# Altium PCB uAMDC.PcbDoc (part 2 of 6) (continued)
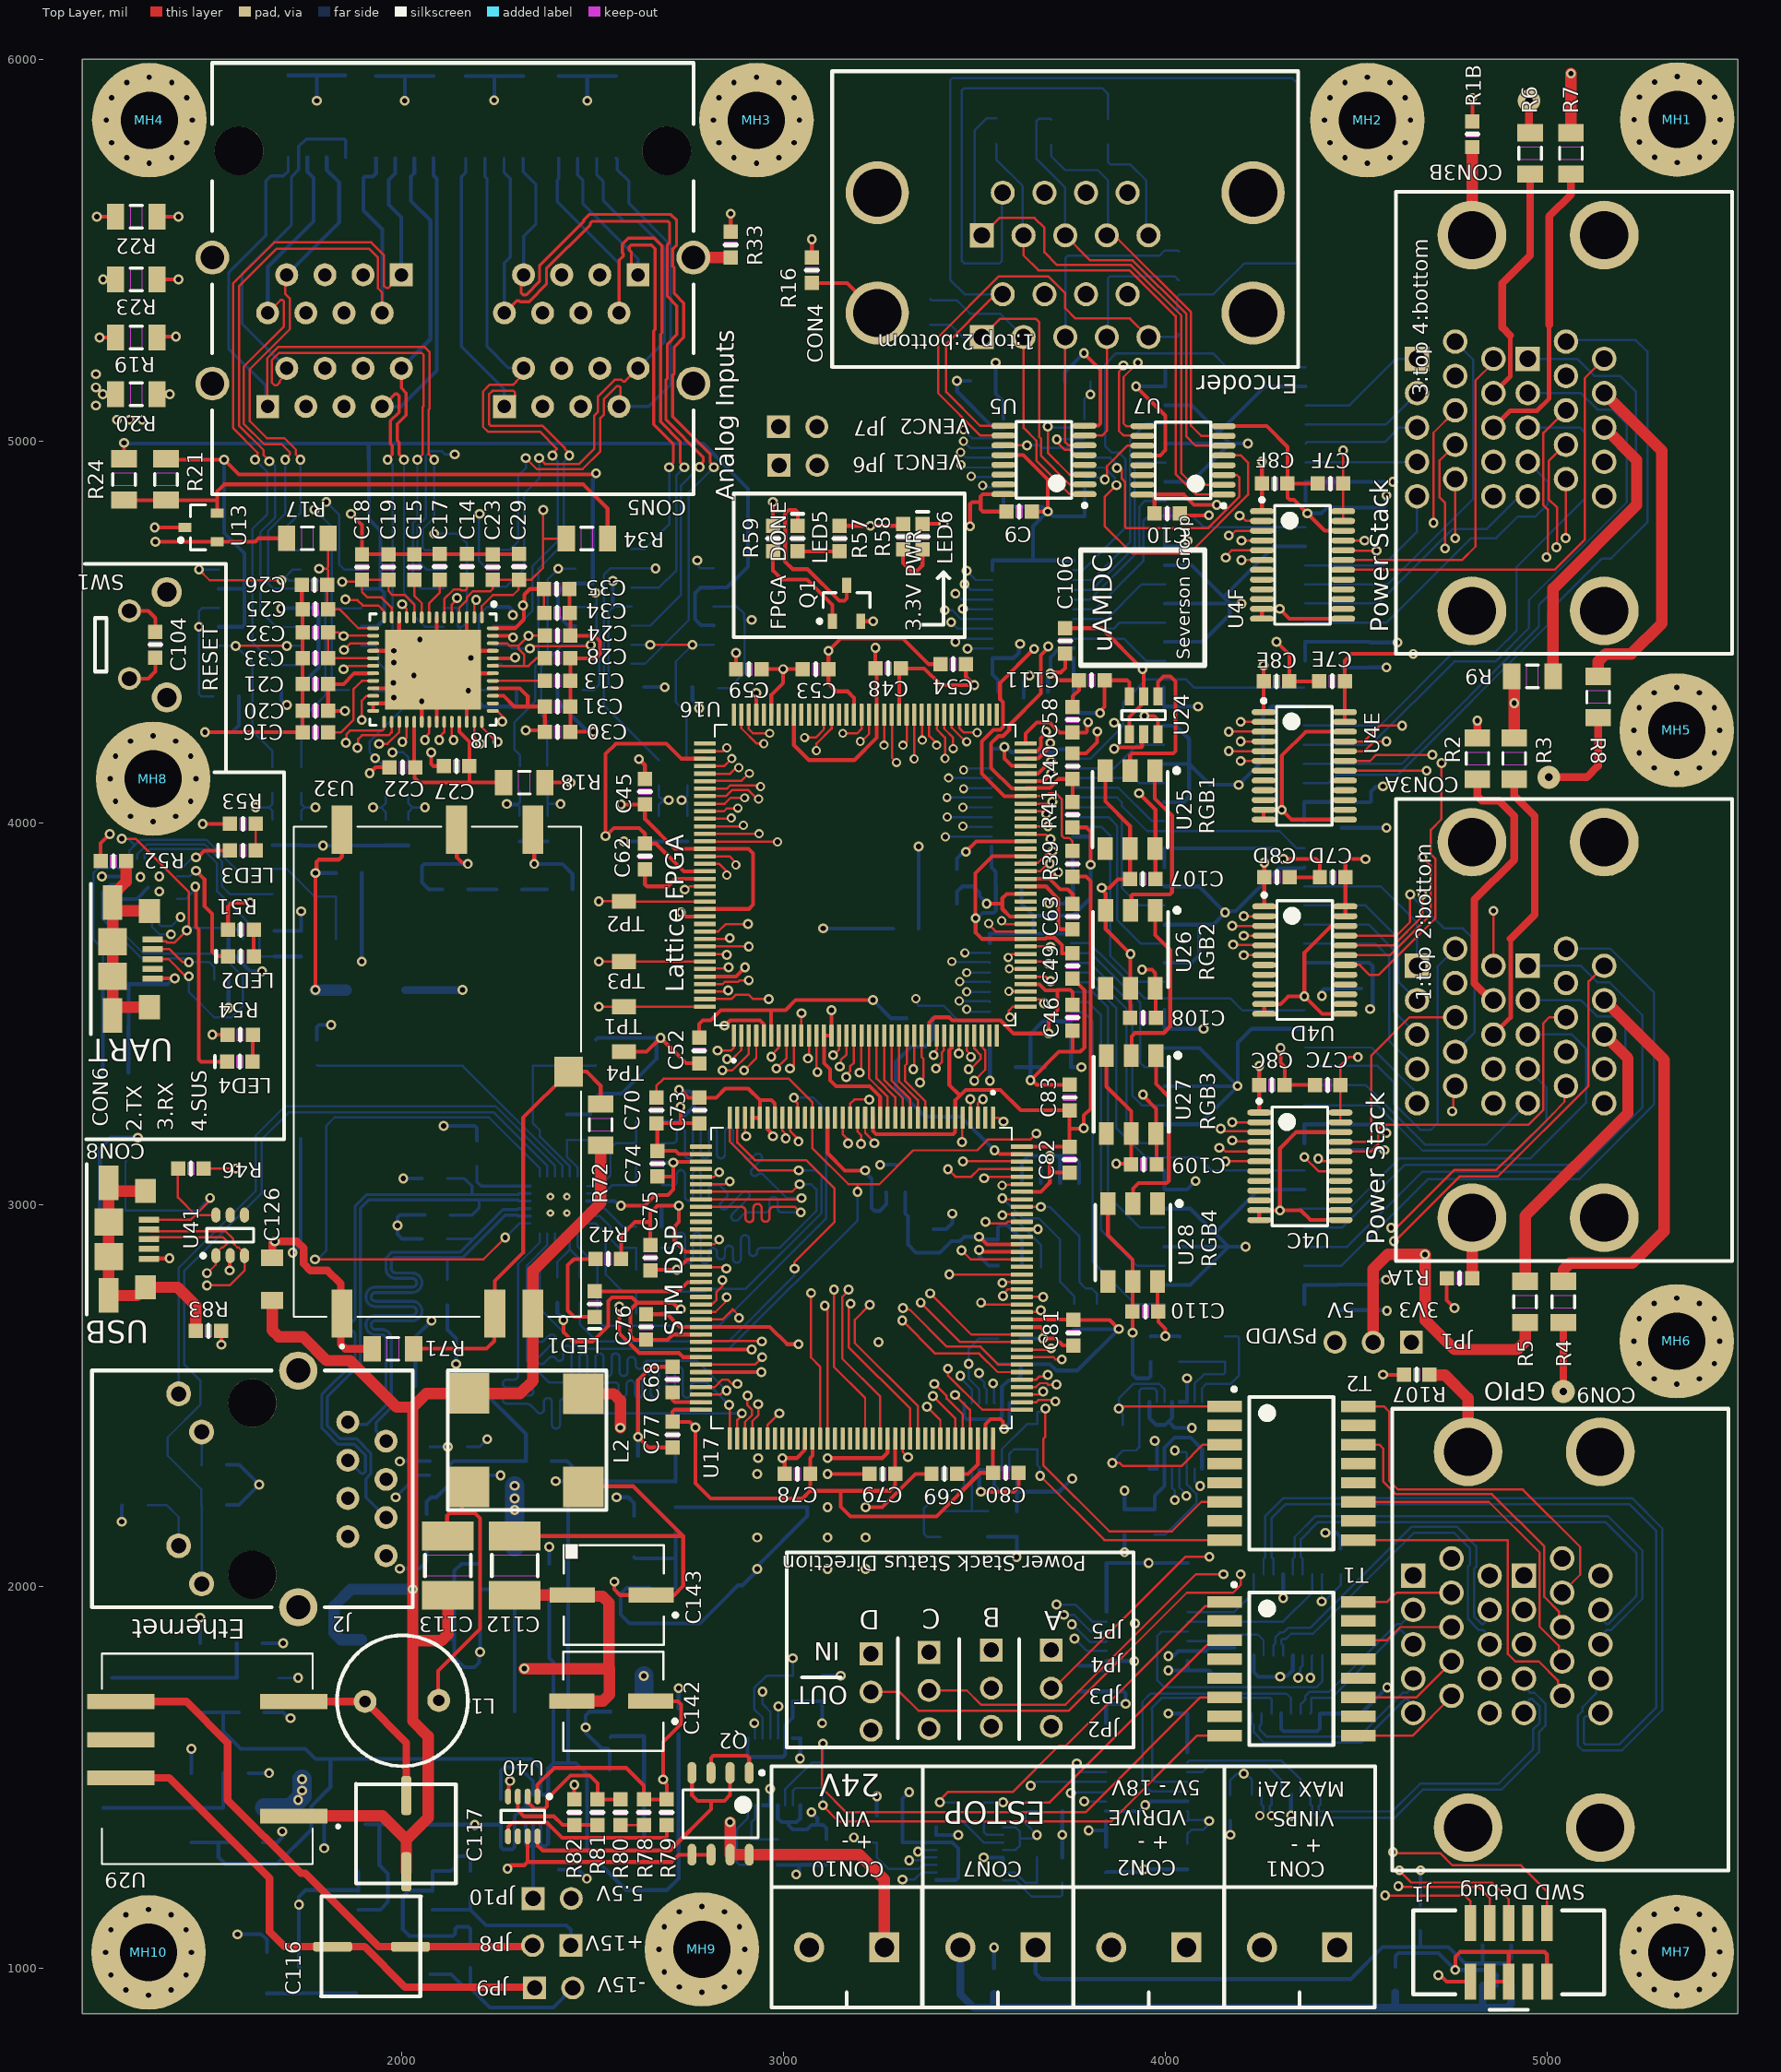
[diagram p0: Top Layer view]
## Nets (pads, with @x,y where several pads share a name; then routed paths per layer and width w, separated by ;. In a path a pad name is that pad's centre, name@x,y a point inside that pad or via, vN(x,y) a via of type N, cw(c..) or ccw(c..) an arc to the next point about the centre after c; other vN are vias at no path point) (continued)
  Bottom Layer w50: R74.1@1642.01,1420 1710,1420 1740,1450 v1(1740,1494.8)
  other v1: 1730,1440 1740,1465 3228.44,4777.46
5.5V: C124.1 C128.1 C132.1 C133.1 C136.1 U31.4 U31.5 U33.3 U35.3 U36.3 U37.3 U39.7 U39.8 | length 4337.9
  Bottom Layer w10: U36.3@1450.32,1329.45 1521,1329.45 ; U33.3@1473.16,1669.45 1533.74,1669.45 ; C132.1@1570.16,1329.45 1521,1329.45 ; C128.1@1574.25,1669.45 1533.74,1669.45 ; C133.1@2387.28,1991.66 U35.3@2387.28,1902.79 2387.28,1811.72 2398,1801 2398,1537 ; U31.5@2718,2341 U31.4@2718,2274 2717.46,2274.54 C124.1@2620,2274.54 2493.5,2274.54 2436.97,2218 2436.97,1537 ; C136.1@2726.28,1612.41 U37.3@2726.28,1518.79 2726.28,1235.28 2695,1204 2589,1204 2486,1307 2486,1508 2457,1537 2436.97,1537 ; 1521,1329.45 1521,1290 1538,1273 1675,1273 1764.23,1362.23 1764.23,1423.32 1814.46,1473.54 1814.46,1548 ; 1533.74,1669.45 1533.74,1620 1579.74,1574 1748.7,1574 1774.7,1548 1814.46,1548 ; 1814.46,1548 2340.37,1548 2364.84,1523.53 U39.7@2364.84,1454.2 U39.8@2384.53,1454.2 2384.53,1523.53 2398,1537 ; 2398,1537 2436.97,1537
5.5VICL: C140.2 JP10.1 U39.1 U39.2 U39.3 U39.4 | length 433.5
  Bottom Layer w10: U39.4@2325.47,1379.8 2325.47,1324.94 2331.33,1319.09 2345.16,1319.09 ; JP10.1@2345,1182 2345.54,1182.54 C140.2@2345.54,1258 2345.16,1258.38 2345.16,1319.09 ; U39.3@2345.16,1379.8 2345.16,1319.09 ; U39.2@2364.84,1379.8 2364.84,1322.35 2361.58,1319.09 ; U39.1@2384.53,1379.8 2384.53,1325.61 2378,1319.09 2361.58,1319.09 ; 2345.16,1319.09 2361.58,1319.09
5.5VJMP: C122.2 C127.2 JP10.2 U32.6 | length 4478.7
  Top Layer w10: v2(1775,3561.66) v2(1775,3868) 1778,3871 1778,3897.14 1783.86,3903 1836.16,3903 1844.69,3911.53 U32.6@1844.69,3981.46
  Int2 (Sign) w30: v2(1775,3561.66) 1505.46,3561.66 1216.41,3272.61 1216.41,1480.59 1566,1131 2389.93,1131 2440.93,1182 JP10.2@2445,1182
  Bottom Layer w10: v2(1775,3868) C127.2@1829.41,3868
  Bottom Layer w30: v2(1775,3561.66) C122.2@1855.11,3561.66
5V: C1A.1 C1B.1 C1C.1 C7A.1 C7B.1 C9.2 C10.2 C11.1 C97A.2 C97B.2 C97C.2 C97D.2 C107.2 C108.2 C109.2 C110.2 C111.1 C159.1 C160.1 CON9.1A CON9.1B JP1.3 JP6.1 JP7.1 R17.1 R60.1 R66.1 U2A.23 U2A.24 U2B.23 U2B.24 U2C.23 U2C.24 U4A.23 U4A.24 U4B.23 U4B.24 U5.16 U6.1 U6.2 U7.16 U13.1 U20A.9 U20A.12 U20B.9 U20B.12 U20C.9 U20C.12 U20D.9 U20D.12 U22.5 U24.6 U25.3 U25.5 U26.3 U26.5 U27.3 U27.5 U28.3 U28.5 U41.5 U44.16 U45.16 | length 7574.2
  Top Layer w10: v2(1356,4736.04) U13.1@1517.88,4736.04 1617.54,4736.04 1626.5,4745 R17.1@1699.87,4745 ; v1(3489.43,4776.25) 3489.43,4834.14 3495.29,4840 3517.02,4840 ; U5.16@3576.7,4860.43 3522.88,4860.43 3517.02,4854.58 3517.02,4840 ; C9.2@3584.54,4815 3522.88,4815 3517.02,4820.86 3517.02,4840 ; v2(3830,4287.25) 3830,4291.58 3841.46,4303.05 C111.1@3841.46,4373 3900.53,4373 3906.38,4367.14 U24.6@3906.38,4330.47 ; U25.3@3843.42,4136.42 3843.42,4056.01 3908.38,3991.05 U25.5@3908.38,3931.69 3908.38,3852.52 C107.2@3907.92,3852.05 3876.91,3852.05 3854.15,3829.29 v2(3833.96,3829.29) 3833.96,3824.96 3844.42,3814.5 U26.3@3844.42,3770.42 3844.42,3721.05 v2(3909.38,3656.09) U26.5@3909.38,3565.69 3908.92,3565.23 C108.2@3908.92,3489.05 ; U27.3@3846.42,3390.42 3846.42,3309.01 3911.38,3244.05 U27.5@3911.38,3185.69 3911.38,3105.52 C109.2@3910.92,3105.05 3908.97,3107 v2(3872,3107) ; U28.3@3850.42,3002.42 3850.42,2920.01 3915.38,2855.05 U28.5@3915.38,2797.69 3915.38,2720.52 C110.2@3914.92,2720.05 v1(3914.92,2664) ; U7.16@3940.7,4859.43 3972.46,4859.43 ; C10.2@3972.46,4809.54 3972.46,4859.43 ; v1(4135.58,4832.56) 4076.1,4832.56 4049.24,4859.43 3972.46,4859.43
  Int2 (Sign) w10: v1(4008.52,1779.25) 4008.52,1706.82 v2(4206.37,1508.98)
  Int2 (Sign) w15: v1(3489.43,4776.25) 3491.68,4774 3493.94,4776.25 4144.38,4776.25 4153.17,4785.04 4153.17,4811.82 4152.82,4812.18 4152.82,4815.33 v1(4135.58,4832.56) 4093.53,4832.56 v1(3804.46,5121.63)
  Int3 (Sign) w10: v1(3696.32,3789.24) 3801.07,3789.24 3815.98,3804.15 3827.74,3815.91 3827.74,3818.75 3833.96,3824.96 v2(3833.96,3829.29) ; v2(3781,3359.75) 3872,3268.75 v2(3872,3107)
  Bottom Layer w6: U20A.12@3576,1309.32 3608.63,1309.32 3620,1320.68 3620,1338.79 ; U20A.9@3576,1368.37 3608.53,1368.37 3620,1356.9 3620,1338.79 ; C97A.2@3664.41,1410.84 3640.22,1410.84 3633.73,1404.35 3633.73,1379.36 v1(3664.41,1348.68) 3654.52,1338.79 3620,1338.79 ; U6.2@3789.3,5058.16 3789.3,5110.65 3800.28,5121.63 v1(3804.46,5121.63) C11.1@3804.46,5155 ; C7A.1@4058,1325.46 4058,1350.94 4068.95,1361.89 4099.99,1361.89 4111.94,1373.85 4111.94,1381.43 v2(4115.77,1385.25) 4113.88,1387.14 4090.31,1387.14 ; U4A.23@4058.3,1410.84 4060.29,1408.85 4060.29,1387.24 U4A.24@4058.3,1385.25 4060.16,1387.12 4090.28,1387.12 ; C160.1@4171,1452.59 4171,1491.77 4187.88,1508.65 4206.04,1508.65 v2(4206.37,1508.98) 4211.47,1508.98 4227.46,1492.99 U45.16@4227.46,1453.99 ; U44.16@4411.57,2031.3 4410.78,2030.52 4410.78,1960.78 v1(4410,1960) 4417,1960 4460,2003 C159.1@4460,2031.54
  Bottom Layer w10: U22.5@1547.61,3695.87 1547.61,3667.16 1604.17,3610.6 v1(1635.36,3610.6) ; v1(2563.7,2233) 2594.49,2233 2610,2217.49 R66.1@2610,2184.13 ; U20B.12@2985.84,1426.4 2985.84,1392 2995.63,1382.21 3013.94,1382.21 ; U20B.9@3044.9,1426.4 3044.9,1392 3035.11,1382.21 3013.94,1382.21 ; v2(3074.15,1408) 3074.15,1407.74 3089.57,1392.31 3089.57,1375 ; C97B.2@3113.12,1337.34 3113.12,1366.88 3105,1375 3089.57,1375 ; U20D.12@3552.84,2304.4 3552.84,2264.2 3569.6,2247.44 3611.9,2247.44 ; C97D.2@3611.9,2196.34 3611.9,2247.44 ; U20D.9@3611.9,2304.4 3611.9,2247.44 ; v1(3696.32,3789.24) 3698.69,3789.24 3699.95,3787.97 3734.76,3787.97 3758.59,3811.81 C1B.1@3758.59,3834 3758.3,3834.29 U2B.24@3758.3,3912.25 U2B.23@3758.3,3937.84 ; U2C.23@3754,3453.69 U2C.24@3754,3428.09 C1C.1@3754,3359.75 v2(3781,3359.75) ; v2(3757,2282) 3722.44,2247.44 3611.9,2247.44 ; U2A.23@3760.3,4430.84 U2A.24@3760.3,4405.25 C1A.1@3760.3,4342.75 3760.3,4305.21 3778.26,4287.25 v2(3830,4287.25) ; v1(3914.92,2664) 3914.92,2555.1 3925.57,2544.45 3956.21,2544.45 3962.07,2550.31 C97C.2@3962.07,2587.53 ; U20C.9@3959.1,2482.87 3959.1,2440.55 3977.19,2422.46 4000.07,2422.46 4009.11,2431.51 ; v1(4008.52,1779.25) U4B.24@4059.3,1779.25 ; U20C.12@4018.16,2482.87 4018.16,2440.55 4009.11,2431.51 ; U4B.23@4059.3,1804.84 U4B.24@4059.3,1779.25 ; v2(4070,2415) 4025.62,2415 4009.11,2431.51 ; C7B.1@4181.25,1771.38 4179.87,1770 4124.87,1770 4115.62,1779.25 U4B.24@4059.3,1779.25 ; R60.1@4669,1164.46 v1(4669,1255.77) ; 3013.94,1382.21 3013.94,1374.18 3025.22,1362.9 3062.05,1362.9 3074.15,1375 3089.57,1375
+12V: CON5.3A CON5.3B CON5.3C CON5.3D R19.1 R22.1 R73.1 | length 4678.3
  Top Layer w10: v2(1203,5587) R22.1@1251.87,5587 ; v2(1210,5271) R19.1@1251.87,5271
  Int3 (Sign) w50: v1(1321.75,5055) v1(1255,5055) 1200,5000 1200,4525 1286.58,4438.42 1386.58,4438.42 1531,4294 1531,3891.43 1530,3890.43 1530,3591.88 1392.79,3454.67 1392.79,2984 1345,2936.21 1345,2140 1265,2060 1265,1560 1511.3,1313.7 v1(1797.87,1313.7)
  Bottom Layer w10: v1(1797.87,1313.7) R73.1@1797.87,1376
  other v1: 1288.37,5055
+12VA: C37A.2 C41A.2 R19.2 U14A.11 U15A.11 | length 2188.1
  Top Layer w10: R19.2@1362.13,5273 v2(1409.71,5273)
  Int2 (Sign) w10: v2(1409.71,5273) 1409.71,5155.94 1417.71,5147.94 1417.71,4758.66 1615.37,4561 1673,4561 v1(1685,4561) 1973.25,4561 1995.71,4538.55 2138.96,4538.55 2144.42,4544 v2(2292,4544)
  Bottom Layer w6: C41A.2@2234.4,4347 2206.7,4347 2203.17,4350.53 2203.17,4421.96 2203.83,4422.62 2203.83,4455.73 2203.17,4456.38 2203.17,4544.19 2223.98,4565 U15A.11@2240.72,4565
  Bottom Layer w10: v1(1685,4561) 1686,4562 1735.28,4562 U14A.11@1736.28,4563 1771,4563 1782.87,4551.13 1782.87,4404.74 1752.46,4374.33 C37A.2@1752.46,4352 ; U15A.11@2240.72,4565 2282.55,4565 2288.94,4558.61 2288.94,4547.06 v2(2292,4544)
+12VB: C37B.2 C41B.2 R22.2 U14B.11 U15B.11 | length 3156.4
  Top Layer w10: R22.2@1360.13,5587 v2(1416.25,5587)
  Int2 (Sign) w10: v2(1416.25,5587) 1416.25,5503.25 1385,5472 1385,5366 1433.71,5317.29 1433.71,5096 1449.71,5080 1449.71,4761.88 1492.5,4719.09 1793.99,4719.09 1820.77,4692.31 1820.77,4669.06 1834.83,4655 1984,4655 v1(2086,4757) 2430,4757 v1(2554,4633)
  Bottom Layer w6: v1(2086,4757) 2145.74,4757 2172,4730.74 2172,4524.79 2160.21,4513 2154.21,4513 ; U14B.11@2110.28,4563 2144.31,4563 2147.83,4559.49 2147.83,4513 ; C37B.2@2111.46,4347.21 2139.27,4347.21 2154.21,4362.15 2154.21,4388.37 2159.83,4393.98 2159.83,4464.46 2154.21,4470.07 2154.21,4513 ; 2148,4513 2154.21,4513 ; C41B.2@2569.97,4355 2545.51,4355 2542,4358.51 2542,4552 2556,4566 U15B.11@2603.43,4566
  Bottom Layer w10: v1(2554,4633) 2554,4568 2556,4566
+15V: C130.1 JP8.1 U34.8 | length 459.4
  Bottom Layer w10: U34.8@2082.24,1153 2181,1153 ; C130.1@2181,1187.54 2181,1153 ; JP8.1@2444,1059 2444,1100.28 2432.28,1112 2222,1112 2181,1153
-12V: CON5.5A CON5.5B CON5.5C CON5.5D R20.1 R23.1 R77.1 | length 4700.5
  Top Layer w10: v2(1218.5,5122) R20.1@1251.87,5122 ; v2(1219,5423) R23.1@1251.87,5423
  Int4 (PWR) w50: v2(1200,5175) 1200,4526.42 1288,4438.42 1386.58,4438.42 1531,4294 1531,3891.43 1530,3890.43 1530,3591.88 1392.79,3454.67 1392.79,2982.79 1345,2935 1345,2140 1265,2060 1265,1560 1571,1254 v2(1571,1088)
  Bottom Layer w10: v2(1571,1088) 1572,1089 1633,1089 1648,1074 R77.1@1648,1042.13
  other v2: 1200,5092.47 1200,5140
-12VA: C38A.1 C43A.1 R20.2 U14A.4 U15A.4 | length 2423.9
  Top Layer w10: R20.2@1360.13,5122 v2(1393.71,5122)
  Int2 (Sign) w10: v2(1393.71,5122) 1393.71,4899.04 1384,4889.33 1384,4704 1448,4640 1448,4535 v1(1470,4513) 1474.33,4513 1481.33,4520 2428.5,4520 2508,4599.5 v1(2508,4602.5)
  Bottom Layer w6: C38A.1@1507.54,4331 1475.86,4331 1470,4336.86 1470,4363 v1(1470,4513) 1470,4553.58 1479.42,4563 U14A.4@1521.72,4563 ; U15A.4@2455.28,4565 2502.91,4565 2511,4573.09 ; C43A.1@2475.46,4347 2503.17,4347 2518,4361.83 2518,4499.08 2511,4506.08 2511,4573.09 ; v1(2508,4602.5) 2511,4599.5 2511,4573.09
-12VB: C38B.1 C43B.1 R23.2 U14B.4 U15B.4 | length 3286.6
  Top Layer w10: R23.2@1360.13,5423 v2(1416.25,5423)
  Int2 (Sign) w10: v2(1416.25,5423) 1449.71,5389.54 1449.71,5102.63 1465.71,5086.63 1465.71,4817.15 1494.14,4788.72 1769.75,4788.72 ; v1(1773,4820) 1773,4791.97 1769.75,4788.72 ; v1(2917.83,4531) 2917.83,4608.13 2741.09,4784.87 1858.06,4784.87 1854.21,4788.72 1769.75,4788.72
  Bottom Layer w6: v1(1773,4820) 1818,4775 1818,4560.76 ; C38B.1@1862.25,4347.21 1829.75,4347.21 1818,4358.95 1818,4560.76 ; U14B.4@1895.72,4563 1893.47,4560.76 1818,4560.76 ; U15B.4@2818,4566 2879,4566 2898,4547 2898,4531 ; C43B.1@2829.46,4352 2858,4352 2898.5,4392.5 2898.5,4530.5 2898,4531 ; v1(2917.83,4531) 2898,4531
-15V: C137.2 JP9.2 U38.7 | length 482
  Bottom Layer w10: U38.7@2076.24,983.69 2130.17,983.69 2165.84,948.02 2180.69,948.02 ; C137.2@2180.69,1000.23 2180.69,948.02 ; JP9.2@2449,948 2398.02,897.02 2231.69,897.02 2180.69,948.02
ADC_1V8: C22.1 C27.1 R18.2 U8.31 U8.37 | length 555.9
  Top Layer w10: U8.31@2033.79,4264.19 2033.79,4143.74 2034.5,4143.03 2034.5,4117 2046.5,4105 R18.2@2267.87,4105 ; U8.37@2151.9,4264.19 2151.98,4264.11 2151.98,4238.05 2178.16,4211.87 C27.1@2178.16,4148.25 2178.16,4105
ADC_5V: C20.1 C21.1 C25.1 C26.1 C30.1 C31.1 C34.1 C35.1 R17.2 U8.15 U8.21 U8.43 U8.44 U8.52 | length 2532.2
  Top Layer w6: v2(1785,4665) 1806.11,4665 1808.13,4662.97 1808.13,4624.67 C26.1@1806.46,4623 C25.1@1806.46,4561 ; 1808.13,4669.89 R17.2@1808.13,4745 ; C25.1@1808.46,4559 1837.52,4559 1887.25,4509.27 U8.15@1926.5,4509.27 ; C35.1@2373.41,4612 2373.41,4550.13 C34.1@2374.54,4549
  Top Layer w10: v1(1852.54,4292.73) C20.1@1808.46,4292.73 C21.1@1808.46,4363 1848.53,4363 1876.69,4391.16 U8.21@1926.5,4391.16 ; U8.43@2239.5,4332.1 2267.86,4332.1 2295.96,4304 2331.11,4304 ; U8.44@2239.5,4351.79 2310.49,4351.79 2331.11,4331.16 2331.11,4304 ; U8.52@2239.5,4509.27 2297.8,4509.27 2320.8,4532.27 2320.8,4566.9 v2(2318.71,4568.99) 2321.78,4572.05 2321.78,4597.48 2336.3,4612 C35.1@2373.41,4612 ; v2(2326,4242) 2371.88,4242 C30.1@2375.87,4238 C31.1@2375.87,4304 2331.11,4304
  Int4 (PWR) w6: v2(1785,4665) 1785,4360.27 v1(1852.54,4292.73) 2267.27,4292.73 2322,4238 2383.43,4299.43 2383.43,4504.27 v2(2318.71,4568.99)
ADC_CLKOUT: TP3.1 U8.33 U16.138 | length 1243.2
  Top Layer w6: v1(2062,4216.75) 2062,4223.6 2073.08,4234.68 2073.08,4264.11 U8.33@2073.16,4264.19 ; v2(2517,3636.44) TP3.1@2582.76,3636.44 2583,3636.2 U16.138@2795,3636.2
  Int2 (Sign) w6: v1(2062,4216.75) 2062,4211.76 2053.47,4203.23 2053.47,4116.07 2034.5,4097.1 2034.5,3911.53 2309.59,3636.44 v2(2517,3636.44)
ADC_CNV: TP1.1 U8.24 U16.144 | length 1576.1
  Top Layer w6: v1(1896.73,4268.84) 1896.73,4319.73 1908.37,4331.37 1925.77,4331.37 U8.24@1926.5,4332.1 ; v2(2517,3518.09) 2582.67,3518.09 TP1.1@2582.76,3518 2582.86,3518.09 U16.144@2795,3518.09
  Int2 (Sign) w6: v1(1896.73,4268.84) 1896.73,4242.86 1885.13,4231.25 1845.57,4231.25 1832.69,4218.36 1832.69,3983.31 2297.91,3518.09 v2(2517,3518.09)
ADC_IN1: C42A.1 R38A.1 U8.20 | length 1151.1
  Top Layer w6: v2(1848.53,4402) 1852.86,4402 1861.7,4410.84 U8.20@1926.5,4410.84
  Int3 (Sign) w6: v2(1848.53,4402) 1846.06,4399.53 1791.24,4399.53 1775,4383.28 1775,4198.27 1876.17,4097.1 2077.37,4097.1 2093.06,4081.41 2294.25,4081.41 2326.66,4049 v1(2417.21,4049)
  Bottom Layer w6: R38A.1@2382,4082.41 2383,4081.41 2383,4052.51 2386.51,4049 ; C42A.1@2383,4017.34 2383,4045.49 2386.51,4049 ; v1(2417.21,4049) 2386.51,4049
ADC_IN2: C40A.1 R37A.1 U8.17 | length 1138.3
  Top Layer w6: v2(1850.01,4452.53) 1867.38,4469.9 U8.17@1926.5,4469.9
  Int3 (Sign) w6: v2(1850.01,4452.53) 1773.88,4452.53 1752.46,4431.11 1752.46,4191.73 1865.66,4078.54 2003.17,4078.54 2018.75,4062.96 2137.69,4062.96 2151.65,4049 v2(2276,4049)
  Bottom Layer w6: C40A.1@2310,4017.34 2310,4041.74 2306.25,4045.49 2279.51,4045.49 v2(2276,4049) 2306.49,4049 2311,4053.51 R37A.1@2311,4081.41
ADC_IN3: C39B.1 R36B.1 U8.14 | length 1156.3
  Top Layer w6: v2(1853.52,4585) 1855.77,4582.76 1885.18,4582.76 1899.18,4568.76 1940.01,4568.76 1954.31,4554.45 1954.31,4538.55 U8.14@1955.05,4537.81
  Int3 (Sign) w6: v2(1853.52,4585) 1735.67,4585 1726.87,4576.2 1726.87,4186.63 1847.51,4066 1933,4066 1959,4040 v1(2062,4040)
  Bottom Layer w6: C39B.1@2018.75,4007.59 2019,4007.84 2019,4028.49 2030.51,4040 ; R36B.1@2018.75,4075.66 2018.75,4050.25 2029,4040 2030.51,4040 ; v1(2062,4040) 2030.51,4040
ADC_IN4: C36B.1 R35B.1 U8.11 | length 1330.8
  Top Layer w6: v2(2002,4572) 2002,4571.35 2014.1,4559.25 U8.11@2014.1,4537.81
  Int3 (Sign) w6: v1(1925.77,4040) 1856.54,4040 1678.5,4218.04 1678.5,4506.9 1663,4522.39 1663,4682.11 1681.89,4701 1700.11,4701 1712.11,4689 1803.66,4689 1822.77,4669.89 1837.66,4655 1919,4655 v2(2002,4572)
  Bottom Layer w6: v1(1925.77,4040) 1947.23,4040 ; C36B.1@1958.75,4007.59 1958.75,4028.49 1947.23,4040 ; R35B.1@1958.75,4075.66 1958.75,4050.25 1948.5,4040 1947.23,4040
ADC_IN5: C40B.1 R37B.1 U8.5 | length 2427.7
  Top Layer w6: U8.5@2132.21,4537.81 2132.21,4571.1 2145.83,4584.71 v2(2145.83,4588.6)
  Int3 (Sign) w6: v2(2145.83,4588.6) 2145.83,4626.27 2150,4630.44 2150,4662.7 2134.7,4678 1991.16,4678 1971.65,4697.51 1968.16,4701 1861.27,4701 1849.27,4713 1676.92,4713 1651,4687.08 1651,4512.56 1661,4502.56 1661,4210 1818,4053 1818,4025 1841.27,4001.73 2642.73,4001.73 v1(2700,4059)
  Bottom Layer w6: C40B.1@2674,4017.8 2674,4046.55 2682.62,4055.17 2696.17,4055.17 v1(2700,4059) 2696.17,4062.83 2680.45,4062.83 2674,4069.28 R37B.1@2674,4097.41
ADC_IN6: C42B.1 R38B.1 U8.2 | length 2540.2
  Top Layer w6: U8.2@2191.27,4537.81 2191.27,4573.41 2196.07,4578.22 v2(2196.07,4583.63)
  Int3 (Sign) w6: v2(2196.07,4583.63) 2196.07,4662.7 2167.95,4690.82 1995.31,4690.82 1961.13,4725 1671.95,4725 1639,4692.05 1639,4212 1804.54,4046.46 1804.54,4010.79 1825.6,3989.73 2664.73,3989.73 v1(2734,4059)
  Bottom Layer w6: C42B.1@2749,4017.8 2749,4053 2746.83,4055.17 2737.83,4055.17 v1(2734,4059) 2738.72,4059 2749,4069.28 R38B.1@2749,4097.41
ADC_IN7: C36A.1 R35A.1 U8.51 | length 1798.3
  Top Layer w10: U8.51@2239.5,4489.58 2239.57,4489.5 2288.44,4489.5 v2(2292.68,4485.27)
  Int3 (Sign) w6: v1(1618.46,4040) 1618.46,4691.41 1664.06,4737 1966.11,4737 2000.28,4702.82 2299.53,4702.82 2353.2,4649.15 2353.2,4549.52 2292.68,4489 v2(2292.68,4485.27)
  Bottom Layer w6: v1(1618.46,4040) 1653.75,4040 ; C36A.1@1662.75,4008.34 1662.75,4031 1653.75,4040 ; R35A.1@1662.75,4078.54 1662.75,4049 1653.75,4040
ADC_IN8: C39A.1 R36A.1 U8.48 | length 2206.2
  Top Layer w10: U8.48@2239.5,4430.53 2239.57,4430.61 2295.69,4430.61 v2(2297.93,4432.84)
  Int3 (Sign) w6: v1(1775,4040) 1731.75,3996.75 1580.64,3996.75 1577.13,4000.26 1577.13,4317.04 1606.46,4346.38 1606.46,4696.38 1659.09,4749 1971.08,4749 2005.25,4714.82 2304.5,4714.82 2383.43,4635.89 2383.43,4471.42 2340.23,4428.21 2305.96,4428.21 2301.33,4432.84 v2(2297.93,4432.84)
  Bottom Layer w6: C39A.1@1737.75,4008.34 1737.75,4031 1746.75,4040 ; R36A.1@1737.75,4078.54 1737.75,4053.25 1738,4053 1738,4048.75 1746.75,4040 ; v1(1775,4040) 1746.75,4040
ADC_SCK: TP2.1 U8.41 U16.130 | length 1036.9
  Top Layer w6: U8.41@2239.5,4292.73 2251.3,4292.73 2267.87,4276.17 2267.87,4268.47 v1(2264.14,4264.75) ; v2(2517,3794) TP2.1@2583,3794 2583.31,3793.69 U16.130@2795,3793.69
  Int2 (Sign) w6: v1(2264.14,4264.75) 2267.87,4261.02 2267.87,4253.75 2268.37,4253.25 2268.37,4231.75 2279.51,4220.6 2279.51,4140.86 2251.3,4112.65 2251.3,3868.96 2325.75,3794.51 2516.49,3794.51 v2(2517,3794)
ADC_SDO1: U8.27 U16.143 | length 1856
  Top Layer w6: v1(1854.69,4209.25) 1856.16,4210.73 1856.16,4231.25 1865.66,4240.75 1950.13,4240.75 1954.31,4244.93 1954.31,4263.45 U8.27@1955.05,4264.19 ; U16.143@2795,3537.78 2795.22,3538 2864.28,3538 2875.28,3549 2910.11,3549 2921.11,3538 v2(2962,3538)
  Int2 (Sign) w6: v1(1854.69,4209.25) 1854.69,3984.31 2296,3543 2578.47,3543 2582.64,3538.83 2865.11,3538.83 2885.28,3559 2900.11,3559 2921.11,3538 v2(2962,3538)
ADC_SDO2: U8.28 U16.142 | length 1578.6
  Top Layer w6: v1(1885.13,4195.8) 1887.25,4197.92 1887.25,4219.27 1896.73,4228.75 1966.69,4228.75 1974.73,4236.79 U8.28@1974.73,4264.19 ; U16.142@2795,3557.46 2852.63,3557.46 v2(2856,3560.83)
  Int2 (Sign) w6: v1(1885.13,4195.8) 1885.13,4191.24 1875.25,4181.36 1875.25,3987.69 2302.11,3560.83 v2(2856,3560.83)
ADC_SDO3: U8.29 U16.141 | length 1640.9
  Top Layer w6: v2(1942,4206) 1942.37,4206.37 1964,4206.37 1994.42,4236.79 U8.29@1994.42,4264.19 ; U16.141@2795,3577.15 2841.2,3577.15 2846.89,3582.83 2881.91,3582.83 2886.08,3587 v2(2909.96,3587)
  Int2 (Sign) w6: v2(1942,4206) 1937.6,4206 1887.25,4155.65 1887.25,3992.66 2292.91,3587 v2(2909.96,3587)
ADC_SDO4: U8.30 U16.139 | length 1402.4
  Top Layer w6: v2(2003,4211.87) 2014.1,4222.97 U8.30@2014.1,4264.19 ; U16.139@2795,3616.52 2797.16,3618.68 2855.1,3618.68 v2(2857.26,3620.83)
  Int2 (Sign) w6: v2(2003,4211.87) 2003,3912.44 2301,3614.44 2853.75,3614.44 2857.26,3617.95 v2(2857.26,3620.83)
ADC_SDO5: U8.35 U16.137 | length 1304.8
  Top Layer w6: v1(2099.23,4216.75) 2099.23,4223.6 2112.45,4236.82 2112.45,4264.11 U8.35@2112.53,4264.19 ; U16.137@2795,3655.89 2795.11,3656 2850.06,3656 v2(2852.48,3653.57)
  Int2 (Sign) w6: v1(2099.23,4216.75) 2120,4195.98 2120,3843 2303,3660 2840.64,3660 2847.07,3653.57 v2(2852.48,3653.57)
ADC_SDO6: U8.36 U16.136 | length 1374
  Top Layer w6: U8.36@2132.21,4264.19 2132.21,4228.2 2136.82,4223.6 v2(2136.82,4216.75) ; U16.136@2795,3675.57 v2(2909.96,3675.57)
  Int2 (Sign) w6: v2(2136.82,4216.75) 2136.82,3854.18 2315.43,3675.57 v2(2909.96,3675.57)
ADC_SDO7: U8.39 U16.135 | length 1226.2
  Top Layer w6: U8.39@2191.27,4264.19 2191.27,4223.3 2205.98,4208.58 v1(2205.98,4206.9) ; U16.135@2795,3695.26 2857.26,3695.26 v2(2860,3698)
  Int2 (Sign) w6: v1(2205.98,4206.9) 2205.98,3811.02 2319,3698 v2(2860,3698)
ADC_SDO8: U8.40 U16.134 | length 1292.5
  Top Layer w6: U8.40@2210.95,4264.19 2211.69,4263.45 2211.69,4249.29 2249.11,4211.87 v1(2252,4211.87) ; U16.134@2795,3714.94 2829.94,3714.94 2849.63,3734.63 v2(2907.76,3734.63)
  Int2 (Sign) w6: v1(2252,4211.87) 2252,4206.46 2239.3,4193.76 2239.3,3820.7 2325.37,3734.63 v2(2907.76,3734.63)
ANLG_N1: CON5.2A R25.1 U11.3 U15A.10 | length 1647
  Top Layer w6: CON5.2A@2320,5190 2320,5175.39 2301.18,5156.57 2301.18,5154.87 2293.49,5147.17 2231.82,5147.17 2214,5129.36 2214,5036.89 2226.89,5024 2363.11,5024 2407.17,4979.94 2407.17,4978.38 2396,4967.21 v1(2396,4961.8)
  Bottom Layer w6: U15A.10@2240.72,4515 2303.53,4515 2343.29,4554.76 2343.29,4671.8 2410,4738.51 2410,4944.69 2396,4958.69 v1(2396,4961.8)
  Bottom Layer w8: U11.3@2219,5740.72 2219,5692.19 2224.46,5686.72 R25.1@2224.46,5656 2224.46,5247.54 2281,5191 2319,5191 CON5.2A@2320,5190
ANLG_N2: CON5.8A R26.1 U9.2 U15A.12 | length 1529
  Top Layer w6: v1(2361,4955) 2361.14,4955 2376.34,4939.8 2465.69,4939.8 2505.31,4979.43 2505.31,5066.31 2515,5076 2515,5116.4 2558.5,5159.9 2576.72,5159.9 2580.83,5155.8 2585.8,5155.8 CON5.8A@2620,5190
  Bottom Layer w6: U15A.12@2240.72,4615 2244.09,4618.37 2275.37,4618.37 2322,4665 2322,4862 2361,4901 v1(2361,4955)
  Bottom Layer w8: U9.2@2512,5740.72 2512,5696.72 2528.54,5680.19 R26.1@2528.54,5656 2528.54,5630.46 2584,5575 2620.37,5575 2689,5506.37 2689,5259 CON5.8A@2620,5190
ANLG_N3: CON5.2B R27.1 U10.1 U14B.10 | length 2097.8
  Top Layer w6: CON5.2B@1700,5190 1700,5175.39 1681.18,5156.57 1681.18,5152.87 1673.49,5145.17 1668.51,5145.17 1661,5152.69 1661,5211.43 1679.88,5230.31 1685.54,5230.31 2053.37,5230.31 2058.5,5225.19 2058.5,5091.28 2056,5088.78 2056,4965 v2(2042,4951)
  Bottom Layer w6: v2(2042,4951) 2042,4795.79 2030,4783.79 2030,4634 2051,4613 U14B.10@2110.28,4613
  Bottom Layer w8: CON5.2B@1700,5190 1583,5307 1583,5437 1712.46,5566.46 R27.1@1712.46,5656 1712.46,5692.19 1731,5710.72 1731,5771 1751,5791 1850.49,5791 1854,5787.49 U10.1@1854,5742.72
ANLG_N4: CON5.8B R28.1 U12.2 U14B.12 | length 1376.7
  Top Layer w8: CON5.8B@2000,5190 2000,5138.08 2012.31,5125.77 2012.31,5067.46 1989.73,5044.88 1989.73,5000.93 1994.5,4996.16 1994.5,4964.69 2007,4952.19 v2(2007,4951)
  Bottom Layer w6: v2(2007,4951) 2007,4600.86 2034.5,4573.36 2034.5,4540.5 2062,4513 U14B.12@2110.28,4513
  Bottom Layer w10: CON5.8B@2000,5190 2076.46,5266.46 2076.46,5577.54 2025.54,5628.46 R28.1@2025.54,5656 2025.54,5692.19 2034,5700.65 U12.2@2034,5740.72
ANLG_N5: CON5.2C R29.1 U9.4 U15B.12 | length 1799.9
  Top Layer w8: CON5.2C@2570,5335 2570,5473 2580.96,5483.96 2580.96,5490.59 2579,5492.54 2579,5515.77 2594.23,5531 2662.46,5531 2682.71,5510.75 2682.71,5283.15 2678.71,5279.15 2678.71,5050.09 2730.3,4998.5 2730.3,4944.41 2741.16,4933.55 v1(2741.16,4930.73)
  Bottom Layer w6: U15B.12@2603.43,4616 2675.24,4616 2720.43,4661.19 2720.43,4910 v1(2741.16,4930.73)
  Bottom Layer w8: U9.4@2412,5740.72 2412,5686.72 2408.54,5683.26 R29.1@2408.54,5656 2408.54,5626.46 2570,5465 CON5.2C@2570,5335
ANLG_N6: CON5.8C R30.1 U11.2 U15B.10 | length 2207.9
  Top Layer w8: CON5.8C@2270,5335 2302.12,5367.12 2308.75,5367.12 2311.16,5364.71 2334.57,5364.71 2380,5410.15 2380,5451.57 2495,5566.57 2495,5570.31 2499.69,5575 2698.05,5575 2702.74,5570.31 2702.74,5520.2 2696.71,5514.17 2696.71,5378.29 2721.69,5353.31 2721.69,5278.8 2696.71,5253.82 2696.71,5163.59 2692.71,5159.59 2692.71,5055.89 2790.72,4957.88 2790.72,4944.92 2781.19,4935.4 v1(2781.19,4931.24)
  Bottom Layer w6: U15B.10@2603.43,4516 2651.9,4516 2732.43,4596.54 2732.43,4883.59 2779.85,4931 2780.96,4931 v1(2781.19,4931.24)
  Bottom Layer w8: U11.2@2269,5740.72 2269,5703.26 2285.54,5686.72 R30.1@2285.54,5656 2285.54,5481.54 2270,5466 CON5.8C@2270,5335
ANLG_N7: CON5.2D R31.1 U12.4 U14A.12 | length 2046.6
  Top Layer w6: v2(1654.63,4946.63) 1654.63,4947.06 1639.29,4962.4 1639.29,4976.11 1575,5040.4 1575,5405 1673.69,5503.69 1914.81,5503.69 1939,5479.5 1939,5399.33 1950,5388.33 CON5.2D@1950,5335
  Bottom Layer w6: v2(1654.63,4946.63) 1656.96,4946.63 1669,4934.59 1669,4799.01 1630.5,4760.51 1630.5,4554.89 1673,4512.39 1735.67,4512.39 U14A.12@1736.28,4513
  Bottom Layer w10: U12.4@1934,5740.72 1934,5700.65 1925.54,5692.19 1904.05,5692.19 1900.54,5688.67 R31.1@1900.54,5656 1900.54,5603.46 1950,5554 CON5.2D@1950,5335
ANLG_N8: CON5.8D R32.1 U10.3 U14A.10 | length 1496.8
  Top Layer w6: CON5.8D@1650,5335 1684.2,5369.2 1689.17,5369.2 1692.69,5365.69 1692.69,5299.69 1587,5194 1587,5045.37 1641.13,4991.24 1686.87,4991.24 1708,4970.11 1708,4964.51 1696,4952.51 v2(1696,4951)
  Bottom Layer w6: v2(1696,4951) 1696,4809.04 1651,4764.04 1651,4627.06 1665.06,4613 U14A.10@1736.28,4613
  Bottom Layer w10: CON5.8D@1650,5335 1650,5455 1770.54,5575.54 R32.1@1770.54,5656 1770.54,5688.67 1754,5705.21 U10.3@1754,5742.72
ANLG_P1: CON5.1A R25.2 U11.4 U15A.8 | length 1842
  Top Layer w6: CON5.1A@2270,5090 2297,5117 2297,5127.66 2293.49,5131.17 2238.44,5131.17 2230,5122.73 2230,5043.51 2233.51,5040 2369.74,5040 2427.33,4982.41 2427.33,4979.88 2440,4967.21 v1(2440,4961.8)
  Bottom Layer w6: U15A.8@2240.72,4415 2262.22,4415 2268.69,4408.53 2331.11,4408.53 2359.29,4436.7 2359.29,4665.17 2426,4731.88 2426,4944.69 2440,4958.69 v1(2440,4961.8)
  Bottom Layer w8: U11.4@2169,5740.72 2169,5703.65 2157.54,5692.19 R25.2@2157.54,5656 2157.54,5247.46 2270,5135 CON5.1A@2270,5090
ANLG_P2: CON5.7A R26.2 U9.1 U15A.14 | length 1590.6
  Top Layer w6: v1(2326,4955) 2355,4926 2474.51,4926 2521.31,4972.8 2521.31,5059.69 2531,5069.37 2531,5109.77 2565.13,5143.9 2570.1,5143.9 2573.61,5140.39 2573.61,5093.61 CON5.7A@2570,5090
  Bottom Layer w6: U15A.14@2240.72,4715 2285,4715 2306,4736 2306,4908.49 2326,4928.49 v1(2326,4955)
  Bottom Layer w8: U9.1@2562,5740.72 2565.37,5737.34 2565.37,5710.28 2595.46,5680.19 R26.2@2595.46,5656 2595.46,5622.54 2705,5513 2705,5147 2648,5090 CON5.7A@2570,5090
ANLG_P3: CON5.1B R27.2 U10.4 U14B.8 | length 1937.7
  Top Layer w6: CON5.1B@1650,5090 1649.24,5090.76 1649.24,5125.49 1649,5125.73 1649,5216.4 1678.91,5246.31 2060,5246.31 2074.5,5231.81 2074.5,5084.66 2072,5082.16 2072,4965 v2(2086,4951)
  Bottom Layer w6: v2(2086,4951) 2086,4799 2056,4769 2056,4720 2063,4713 U14B.8@2110.28,4713
  Bottom Layer w8: CON5.1B@1650,5090 1645,5095 1645,5144 1548,5241 1548,5441 1645.54,5538.54 R27.2@1645.54,5656 1645.54,5680.54 1659,5694 1691.65,5694 1704,5706.35 U10.4@1704,5742.72
ANLG_P4: CON5.7B R28.2 U12.1 U14B.14 | length 1610.6
  Top Layer w8: CON5.7B@1950,5090 1983,5123 1989.63,5123 1994.31,5118.31 1994.31,5074.92 1971.73,5052.33 1971.73,4992.34 1976.5,4987.57 1976.5,4964.69 1964,4952.19 v2(1964,4951)
  Bottom Layer w6: v2(1964,4951) 1964,4950.86 1977,4937.86 1977,4501.37 2062,4416.37 2106.91,4416.37 U14B.14@2110.28,4413
  Bottom Layer w10: CON5.7B@1950,5090 1999,5090 2092.46,5183.46 R28.2@2092.46,5656 2092.46,5686.72 2084,5695.19 U12.1@2084,5740.72